# Altium PCB testboard_chip1.PcbDoc (part 1 of 3)
Units mm, origin at the board's own origin, x right, y up, seen from the top; angles counter-clockwise.
Board outline 111 x 126 mm, 2 copper layers (Top Layer, Bottom Layer); 162 components, 162 nets, 822 pads, 290 vias.
Unrouted connection lines stored in the file: 151.
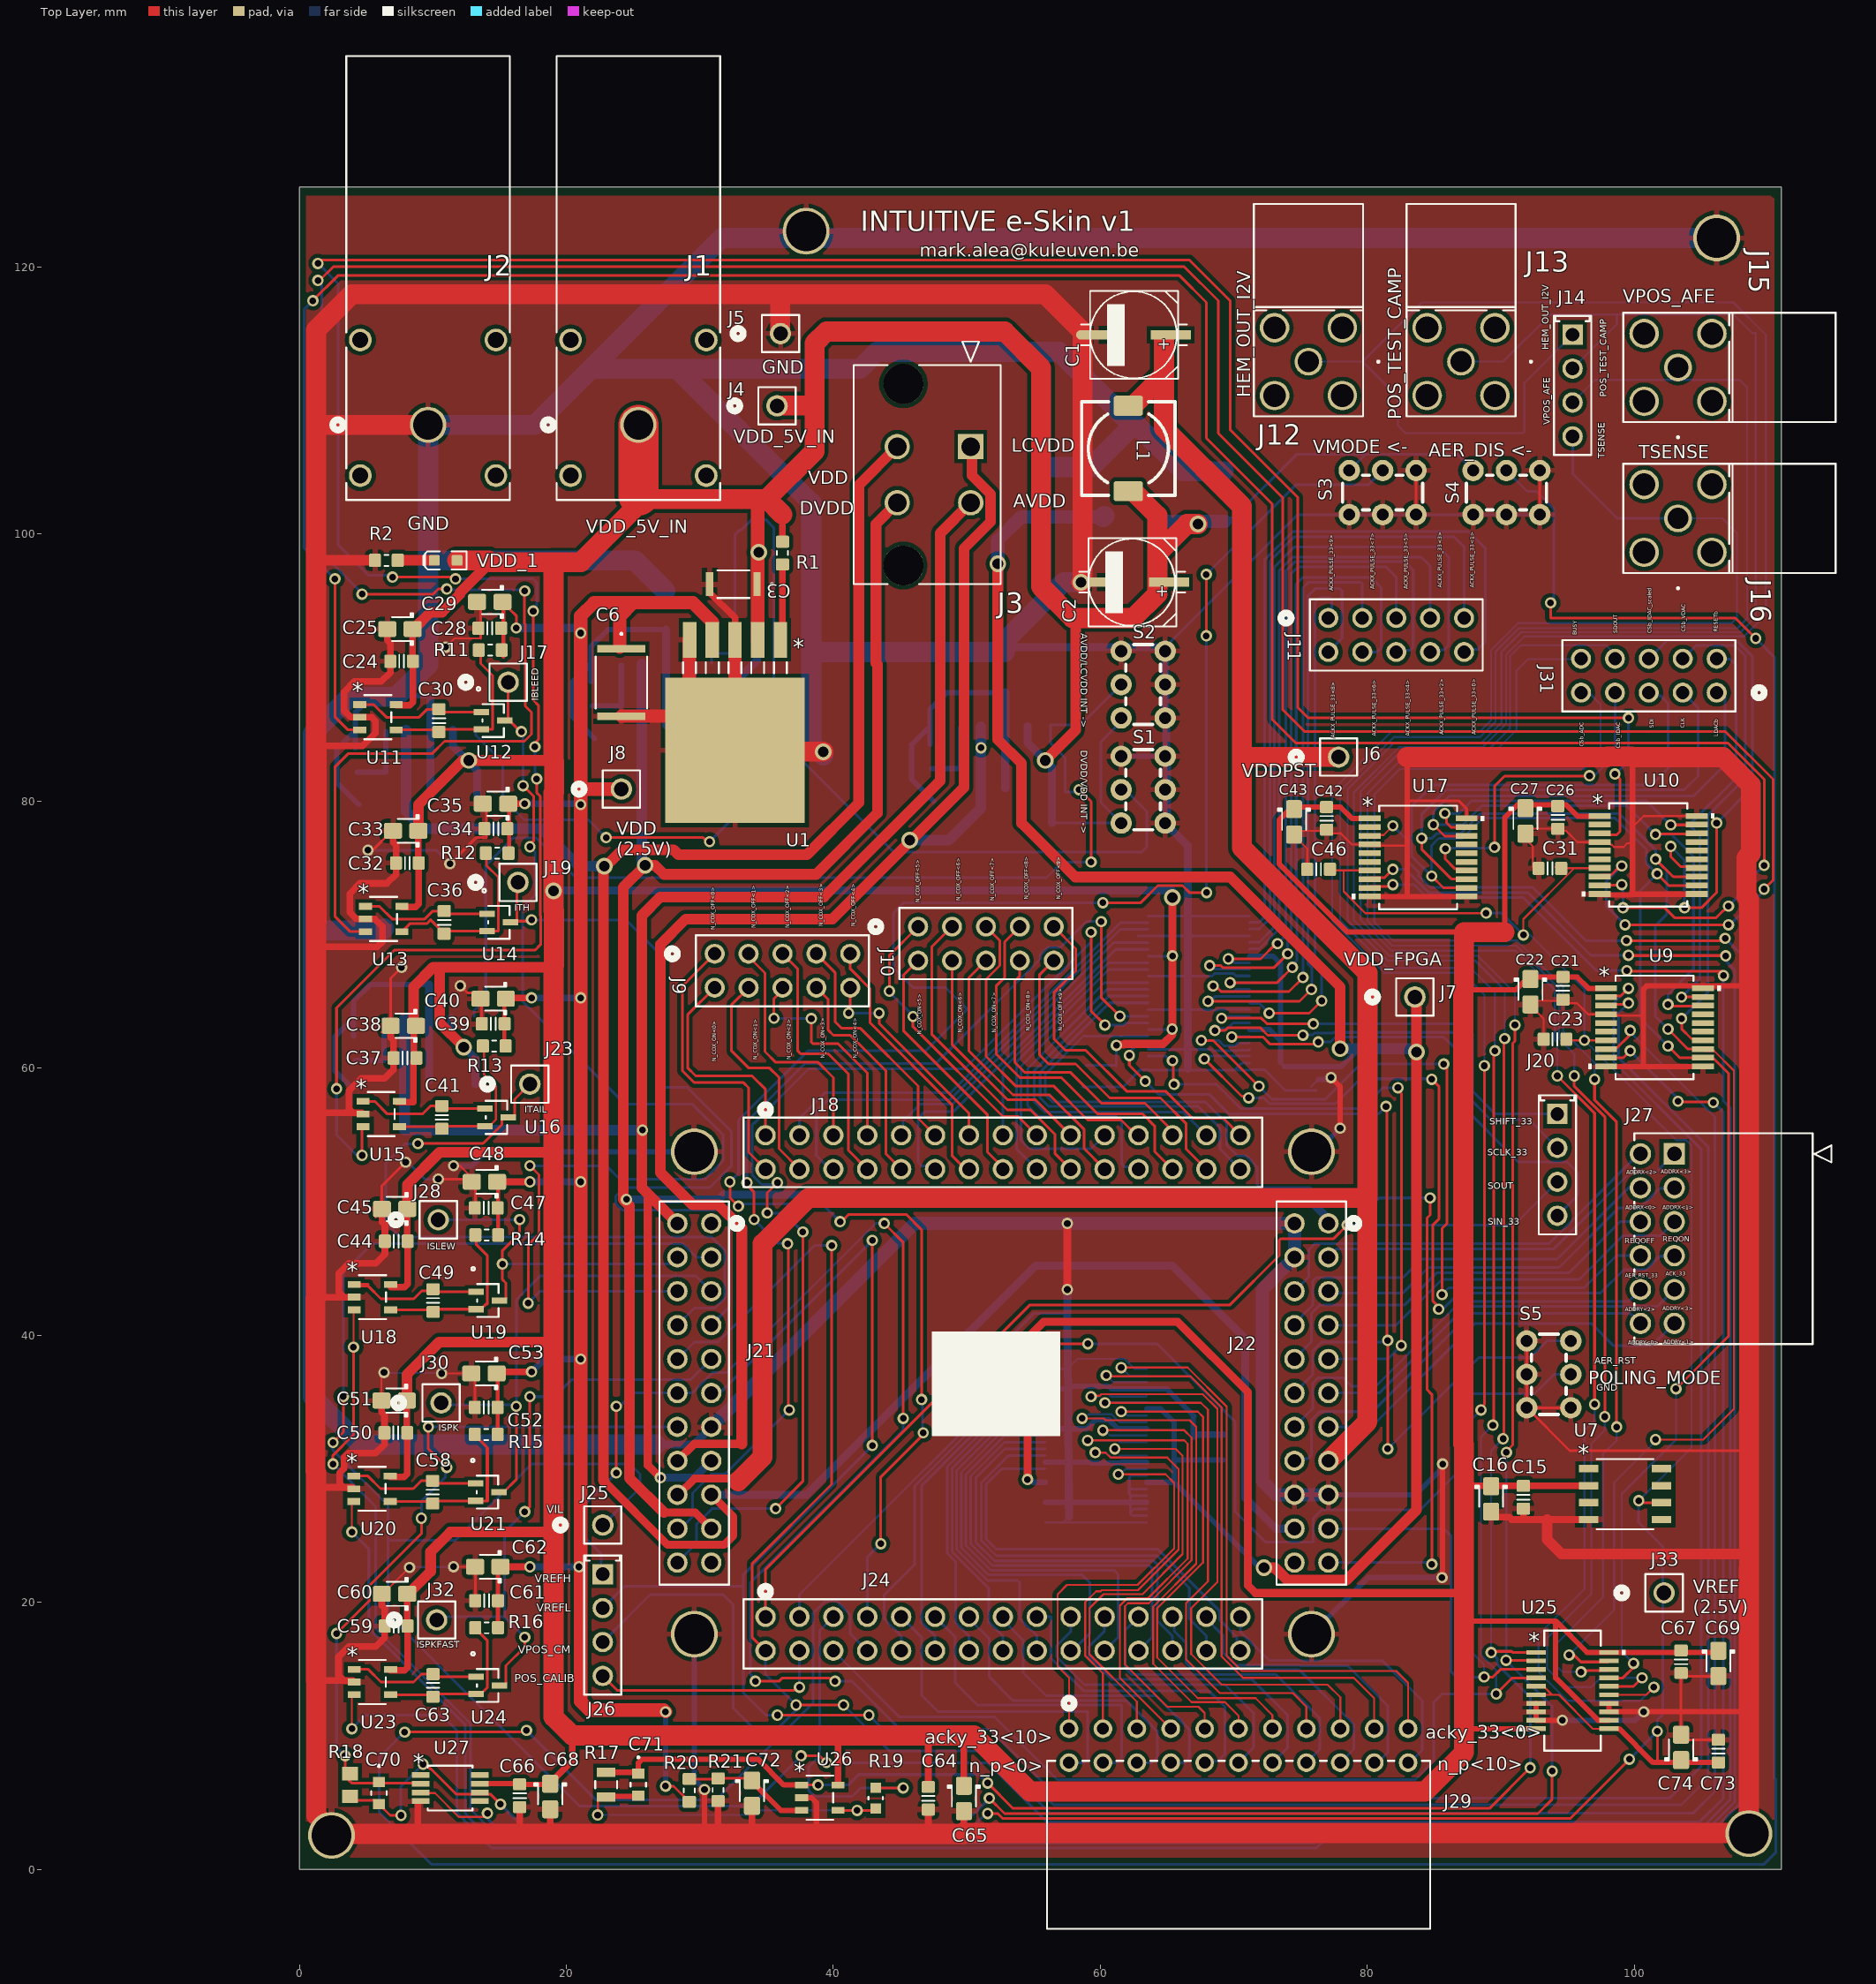
[diagram p0: Top Layer view]
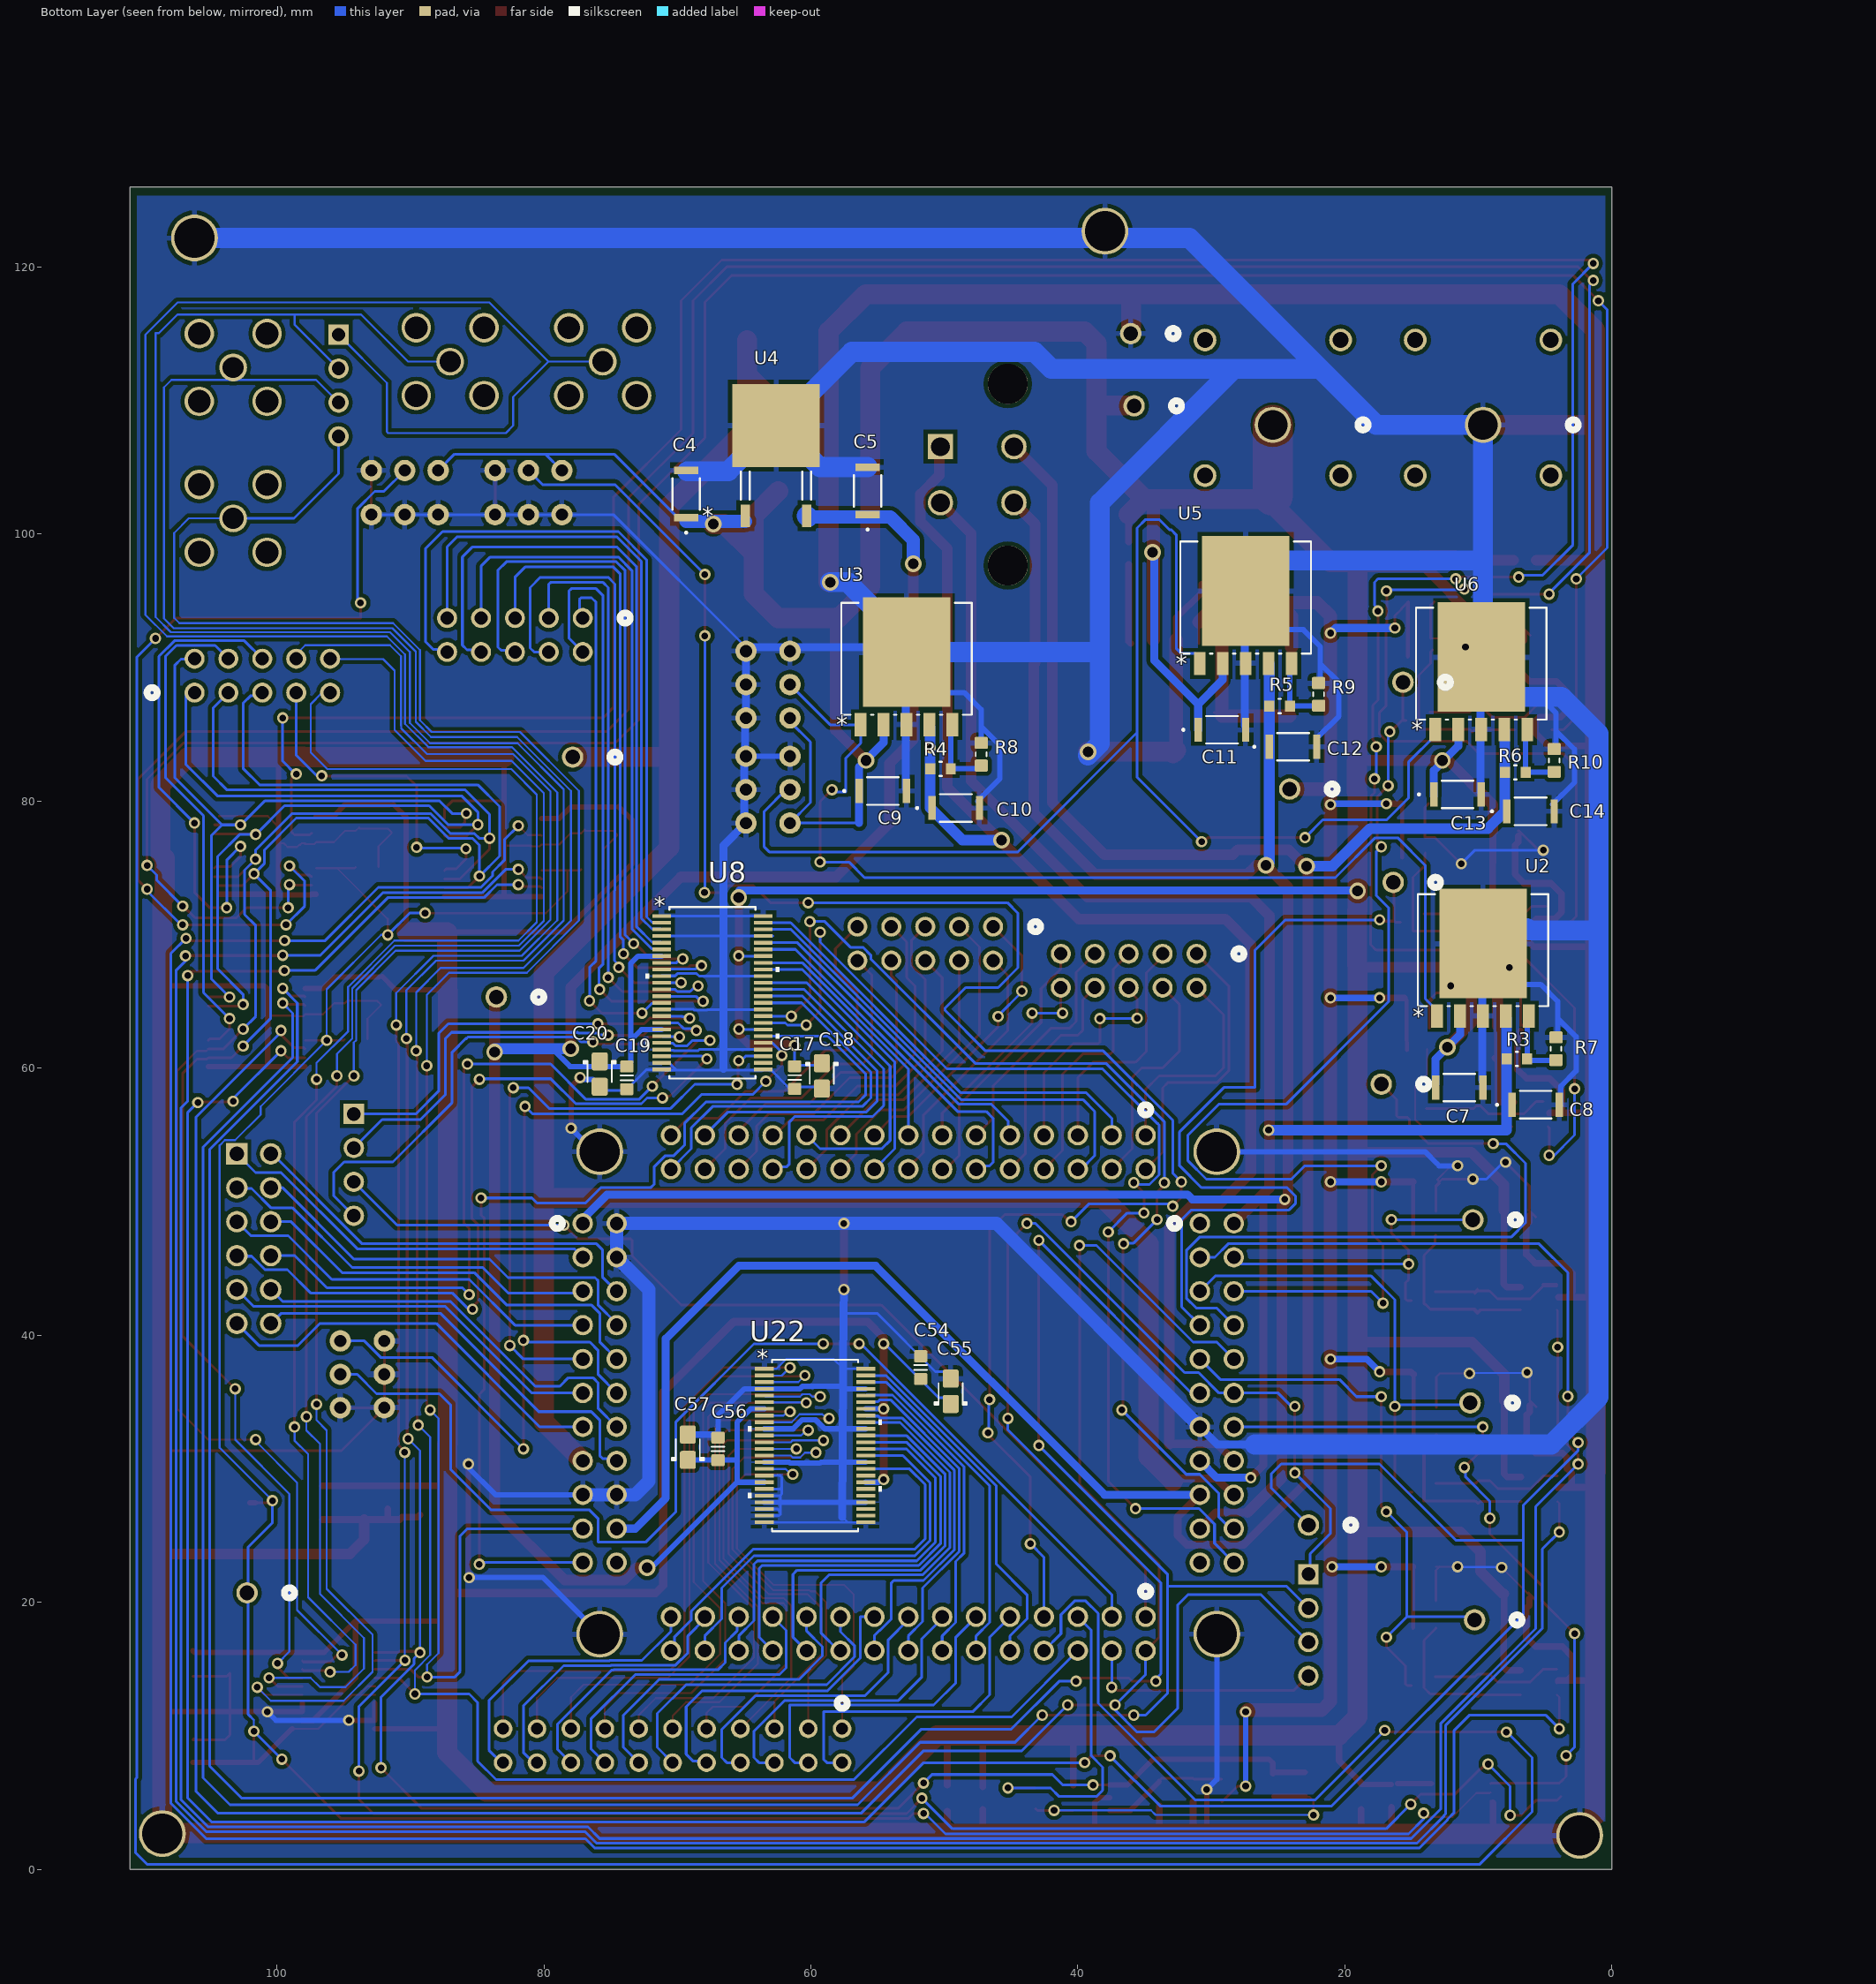
[diagram p1: Bottom Layer view, seen from below]
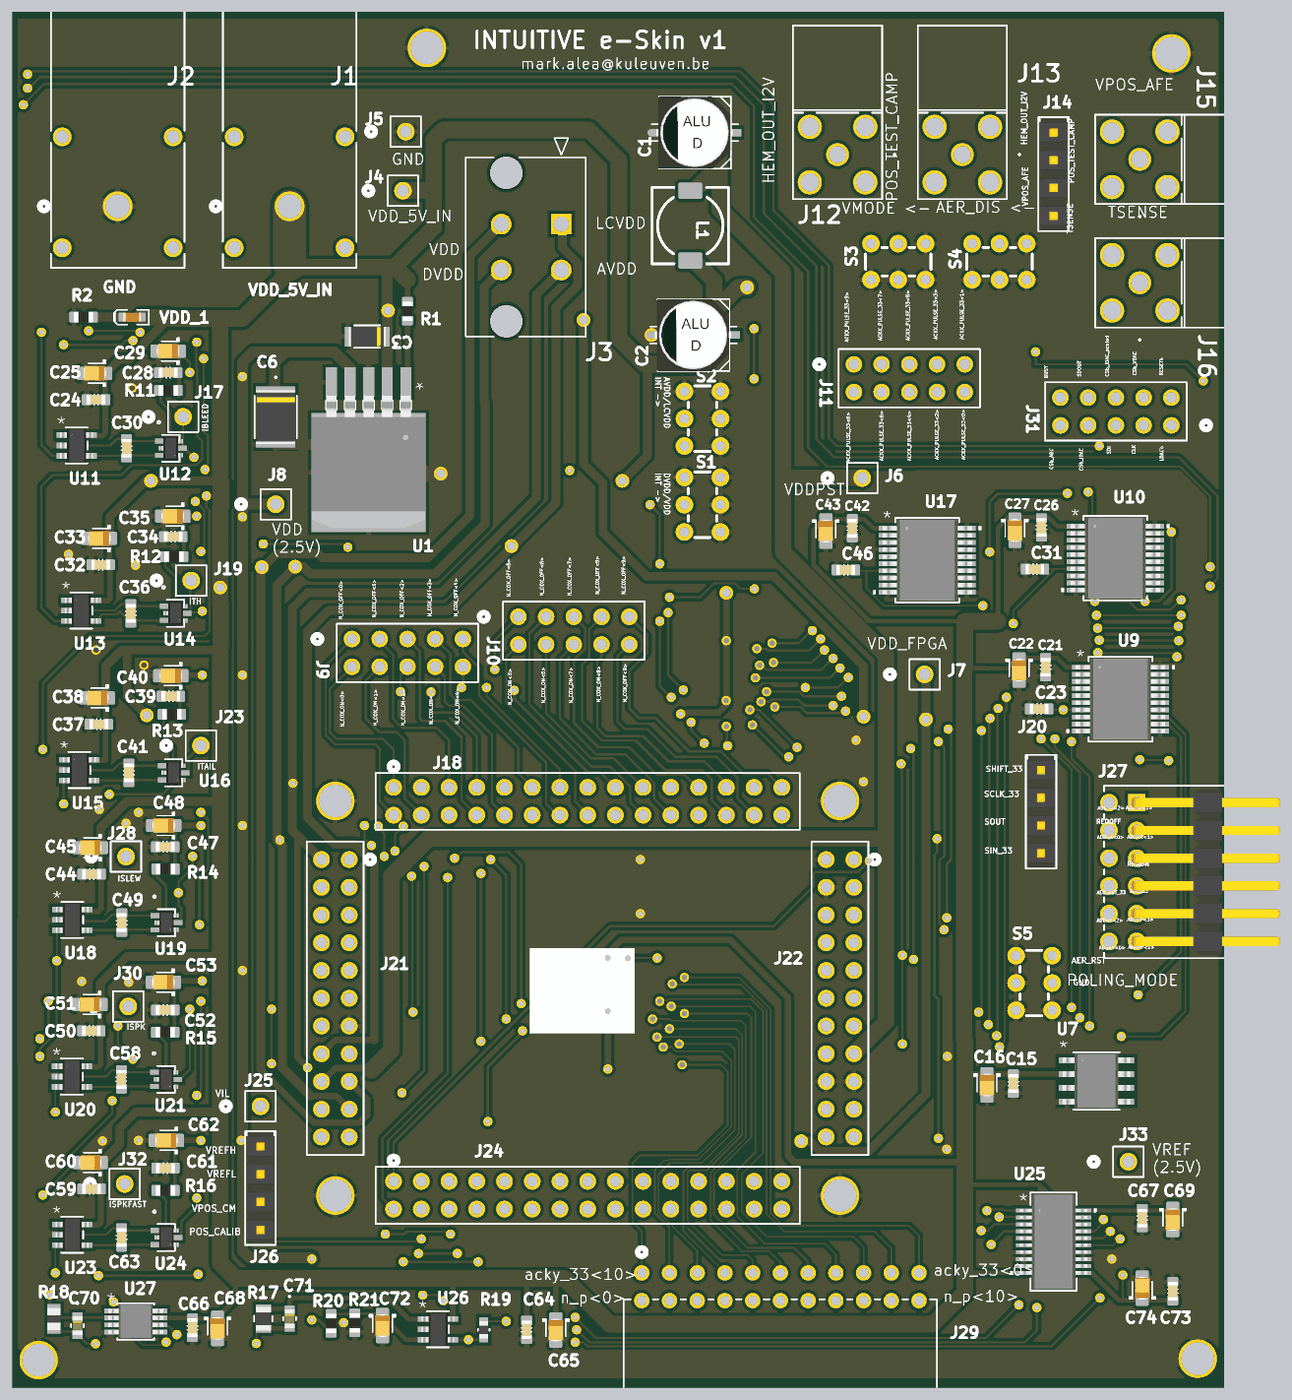
[diagram p4: 3D render of the assembled board from above, using the file's embedded part models]
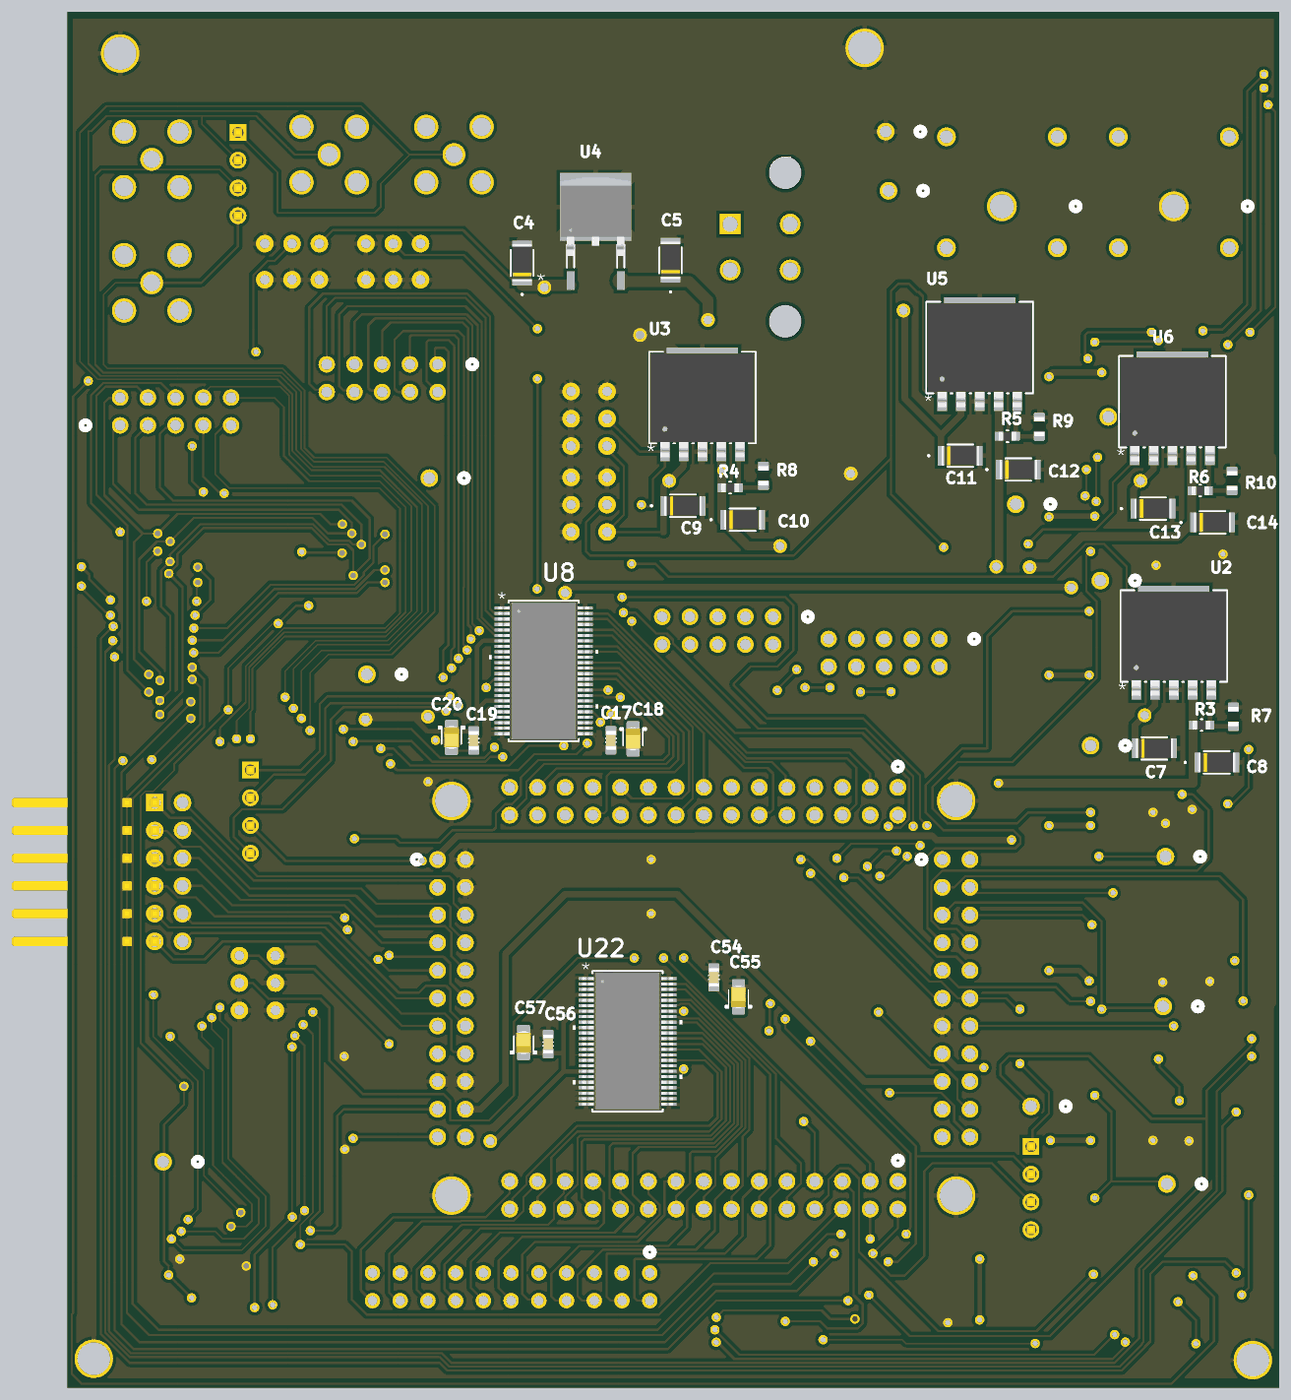
[diagram p5: 3D render of the assembled board from below, using the file's embedded part models]

## Layer stack, top to bottom
Top Solder: solder mask 0.0102, Solder Resist, Dk 3.5
Top Layer: signal copper 0.0356
Dielectric 1: dielectric 0.32, FR-4, Dk 4.8
Bottom Layer: signal copper 0.0356
Bottom Solder: solder mask 0.0102, Solder Resist, Dk 3.5

## Board outline
0,0 111,0 111,126 0,126

## Design rules (kind name [scope] priority, off if disabled: settings)
BoardOutlineClearance [All] p1: gap=0.25 ignorepadtopadclearanceinfootprint=FALSE except(0: Arc-SplitContinuation Track-SplitContinuation SMDPad-SplitContinuation THPad-SplitContinuation Via-SplitContinuation Fill-SplitContinuation Poly-SplitContinuation Region-SplitContinuation Text-SplitContinuation)
Clearance Clearance-xPP-xTP-xTT [All] p1: gap=0.15 ignorepadtopadclearanceinfootprint=FALSE except(0: Arc-Hole Track-Hole SMDPad-Hole THPad-Hole Via-Hole Fill-Hole Poly-Hole Region-Hole Text-Hole)
ComponentClearance [All] p1: gap=0.25 collisioncheckmode=3 verticalgap=0.25 showdistances=FALSE
DiffPairsRouting [All] p1: maxlimit=0.25 minlimit=0.25 mostfreqgap=0.25 toplayer_minwidth=0.381 toplayer_maxwidth=0.381 toplayer_prefwidth=0.381 bottomlayer_minwidth=0.381 bottomlayer_maxwidth=0.381 bottomlayer_prefwidth=0.381 maxuncoupledlength=12.5
Height [All] p1: minheight=0 maxheight=25 prefheight=12.5
HoleSize HoleSize-PTH [All] p1: absolutevalues=TRUE maxlimit=2 minlimit=0.25 maxpercent=80.000 minpercent=20.000
HoleToHoleClearance [All] p1: gap=0.35 allowstackedmicrovias=TRUE
MinimumAnnularRing "Minimum IAR  >0.45mm" [((ObjectKind = 'Pad') OR (ObjectKind = 'Via')) And (Layer = 'MultiLayer') And (HoleDiameter > AsMM(0.45))] p1: minimumring=0.175 // minimum inner annular ring for pads > 0.45mm finished hole size
MinimumAnnularRing "Minimum IAR <=0.45mm" [((ObjectKind = 'Pad') OR (ObjectKind = 'Via')) And (Layer = 'MultiLayer') And (HoleDiameter <= AsMM(0.45))] p2: minimumring=0.175 // minimum inner annular ring for pads <= 0.45mm finished hole size
MinimumSolderMaskSliver [All] p1: minsoldermaskwidth=0.08
PlaneClearance PlaneClearance-IPI [All] p1: clearance=0.25
PlaneConnect [All] p1: planeconnectstyle=Relief reliefexpansion=0.175 reliefentries=4 reliefconductorwidth=0.2 reliefairgap=0.2
PolygonConnect PolygonConnect-xTW [All] p1: connectstyle=Relief reliefconductorwidth=0.2 reliefentries=4 polygonreliefangle="90 Angle" airgapwidth=0.2
RoutingCorners [All] p1: cornerstyle=45-Degree minsetback=2.5 maxsetback=2.5
RoutingVias "RoutingVias > 0.45mm" [(ObjectKind = 'Via') And (HoleDiameter > AsMM(0.45))] p1: holewidth=0.5 width=0.85 viastyle="Through Hole" minholewidth=0.5 minwidth=0.85 maxholewidth=0.9 maxwidth=1.25 // finishet hole size > 0.45mm
RoutingVias "RoutingVias <= 0.45mm" [(ObjectKind = 'Via') And (HoleDiameter <= AsMM(0.45))] p2: holewidth=0.3 width=0.65 viastyle="Through Hole" minholewidth=0.25 minwidth=0.6 maxholewidth=0.45 maxwidth=0.8 // finishet hole size <= 0.45mm
SilkToSilkClearance [All] p1: silktosilkclearance=0.2
SilkToSolderMaskClearance SilkscreenOverComponentPads [IsPad] p1: minsilkscreentomaskgap=0.2 clearancetoexposedcopper=TRUE
SolderMaskExpansion [All] p1: expansion=0
UnRoutedNet [All] p1: checkbadconnections=TRUE
Width Width-xTW [All] p1: maxlimit=1.5 minlimit=0.15 preferedwidth=0.2
18 further rules are at their usual default settings.

## Classes and differential pairs
component class testboard_chip1: C1 C2 C3 C4 C5 C6 C7 C8 C9 C10 C11 C12 C13 C14 C15 C16 C17 C18 C19 C20 C21 C22 C23 C24 C25 C26 C27 C28 C29 C30 C31 C32 C33 C34 C35 C36 C37 C38 C39 C40 C41 C42 C43 C44 C45 C46 C47 C48 C49 C50 C51 C52 C53 C54 C55 C56 C57 C58 C59 C60 C61 C62 C63 C64 C65 C66 C67 C68 C69 C70 C71 C72 C73 C74 J1 J2 J3 J4 J5 J6 J7 J8 J9 J10 J11 J12 J13 J15 J17 J19 J21 J23 J25 J27 J29 J30 J31 J33 L1 R1 R2 R3 R4 R5 R6 R7 R8 R9 R10 R11 R12 R13 R14 R15 R16 R17 R18 R19 R20 R21 S1 S2 S3 S4 S5 U1 U2 U3 U4 U5 U6 U7 U8 U9 U10 U11 U12 U13 U14 U15 U16 U17 U18 U19 U20 U21 U22 U23 U24 U25 U26 U27 VDD_1

## Components (designator, comment, footprint, x,y, rotation, side; value= is the part's Value field where it differs from the comment)
C1 "100uF-16V" PANACAP-D-GENERIC 62.484,114.919 r180 top
C2 "100uF-16V" PANACAP-D-GENERIC 62.357,96.393 r180 top
C3 "C3216X5R1A686M160AC" CAP_3216_TDK 32.512,96.25 r180 top
C4 "C3216X5R1A686M160AC" CAP_3216_TDK 69.342,102.997 r90 bottom
C5 "C3216X5R1A686M160AC" CAP_3216_TDK 55.753,103.235 r90 bottom
C6 "C4532X7R1C336M250KC" CAP_4532_TDK 24.13,88.884 r270 top
C7 "C3216X5R1A686M160AC" CAP_3216_TDK 11.43,58.547 r180 bottom
C8 "C3216X5R1A686M160AC" CAP_3216_TDK 5.715,57.261 r180 bottom
C9 "C3216X5R1A686M160AC" CAP_3216_TDK 54.61,80.756 r180 bottom
C10 "C3216X5R1A686M160AC" CAP_3216_TDK 49.149,79.486 r180 bottom
C11 "C3216X5R1A686M160AC" CAP_3216_TDK 29.21,85.341 r180 bottom
C12 "C3216X5R1A686M160AC" CAP_3216_TDK 23.889,84.071 r180 bottom
C13 "C3216X5R1A686M160AC" CAP_3216_TDK 11.557,80.502 r180 bottom
C14 "C3216X5R1A686M160AC" CAP_3216_TDK 6.096,79.232 r180 bottom
C15 "approved sub OK" CAPC1608N 91.694,27.861 r270 top value=100n
C16 "10µ" CAPMP2012X150USR 89.281,27.734 r270 top
C17 "approved sub OK" CAPC1608N 61.214,59.293 r270 bottom value=100n
C18 "10µ" CAPMP2012X150USR 59.182,59.42 r270 bottom
C19 "approved sub OK" CAPC1608N 73.787,59.274 r270 bottom value=100n
C20 "10µ" CAPMP2012X150USR 75.819,59.556 r270 bottom
C21 "approved sub OK" CAPC1608N 94.656,65.978 r270 top value=100n
C22 "10µ" CAPMP2012X150USR 92.224,65.72 r270 top
C23 "approved sub OK" CAPC1608N 94.06,62.164 r180 top value=100n
C24 "approved sub OK" CAPC1608N 7.666,90.474 r180 top value=100n
C25 "10µ" CAPMP2012X150USR 7.539,92.887 r180 top
C26 "approved sub OK" CAPC1608N 94.275,78.774 r270 top value=100n
C27 "10µ" CAPMP2012X150USR 91.843,78.516 r270 top
C28 "approved sub OK" CAPC1608N 14.27,92.953 r180 top value=100n
C29 "10µ" CAPMP2012X150USR 14.27,94.919 r180 top
C30 "47p" CAPC1608N 10.46,86.029 r90 top
C31 "approved sub OK" CAPC1608N 93.679,74.96 r180 top value=100n
C32 "approved sub OK" CAPC1608N 8.095,75.361 r180 top value=100n
C33 "10µ" CAPMP2012X150USR 7.968,77.774 r180 top
C34 "approved sub OK" CAPC1608N 14.732,77.924 r180 top value=100n
C35 "10µ" CAPMP2012X150USR 14.699,79.806 r180 top
C36 "47p" CAPC1608N 10.853,70.916 r90 top
C37 "approved sub OK" CAPC1608N 7.921,60.756 r180 top value=100n
C38 "10µ" CAPMP2012X150USR 7.794,63.169 r180 top
C39 "approved sub OK" CAPC1608N 14.525,63.317 r180 top value=100n
C40 "10µ" CAPMP2012X150USR 14.525,65.201 r180 top
C41 "47p" CAPC1608N 10.679,56.311 r90 top
C42 "approved sub OK" CAPC1608N 76.949,78.703 r270 top value=100n
C43 "10µ" CAPMP2012X150USR 74.517,78.445 r270 top
C44 "approved sub OK" CAPC1608N 7.266,47.04 r180 top value=100n
C45 "10µ" CAPMP2012X150USR 7.139,49.453 r180 top
C46 "approved sub OK" CAPC1608N 76.353,74.889 r180 top value=100n
C47 "approved sub OK" CAPC1608N 14.003,49.53 r180 top value=100n
C48 "10µ" CAPMP2012X150USR 13.87,51.485 r180 top
C49 "47p" CAPC1608N 10.024,42.595 r90 top
C50 "approved sub OK" CAPC1608N 7.233,32.689 r180 top value=100n
C51 "10µ" CAPMP2012X150USR 7.106,35.102 r180 top
C52 "approved sub OK" CAPC1608N 14.003,34.594 r180 top value=100n
C53 "10µ" CAPMP2012X150USR 13.837,37.134 r180 top
C54 "approved sub OK" CAPC1608N 51.78,37.576 r90 bottom value=100n
C55 "10µ" CAPMP2012X150USR 49.53,35.798 r90 bottom
C56 "approved sub OK" CAPC1608N 66.96,31.48 r90 bottom value=100n
C57 "10µ" CAPMP2012X150USR 69.215,31.607 r90 bottom
C58 "47p" CAPC1608N 9.991,28.244 r90 top
C59 "approved sub OK" CAPC1608N 7.26,18.211 r180 top value=100n
C60 "10µ" CAPMP2012X150USR 7.133,20.624 r180 top